# Altium PCB MARCS.PcbDoc
Units mil, origin at the board's own origin, x right, y up, seen from the top; angles counter-clockwise.
Board outline 7000 x 4750 mil, 4 copper layers (Component Side, Ground Plane, Power Plane, Solder Side), stack 33.234 mil thick; 110 components, 109 nets, 580 pads, 5 vias.
Unrouted connection lines stored in the file: 6.
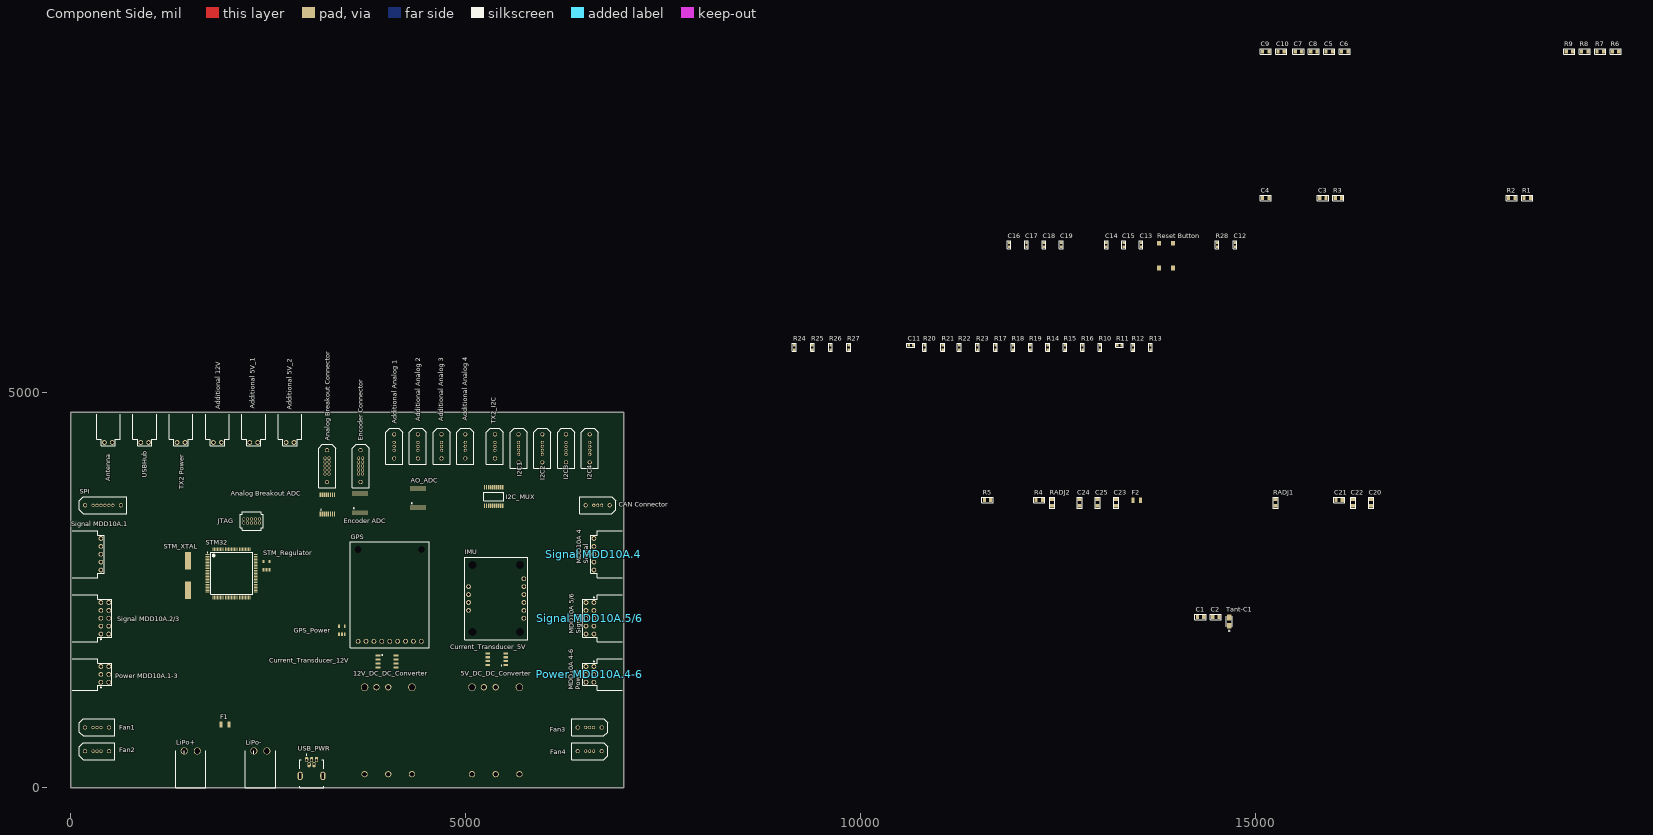
[diagram p0: Component Side view]
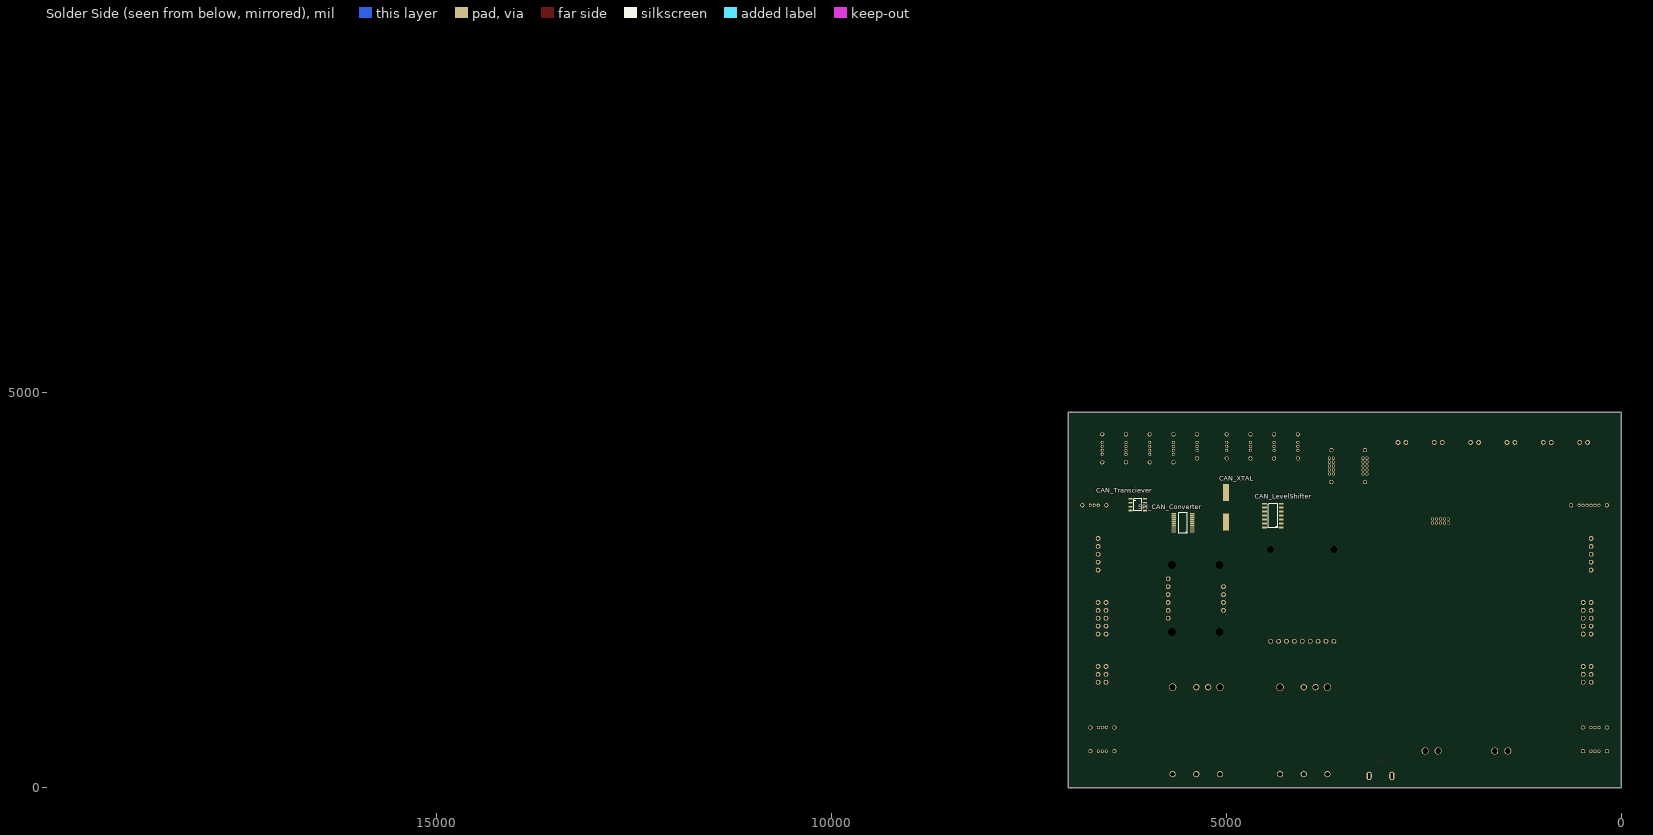
[diagram p1: Solder Side view, seen from below]
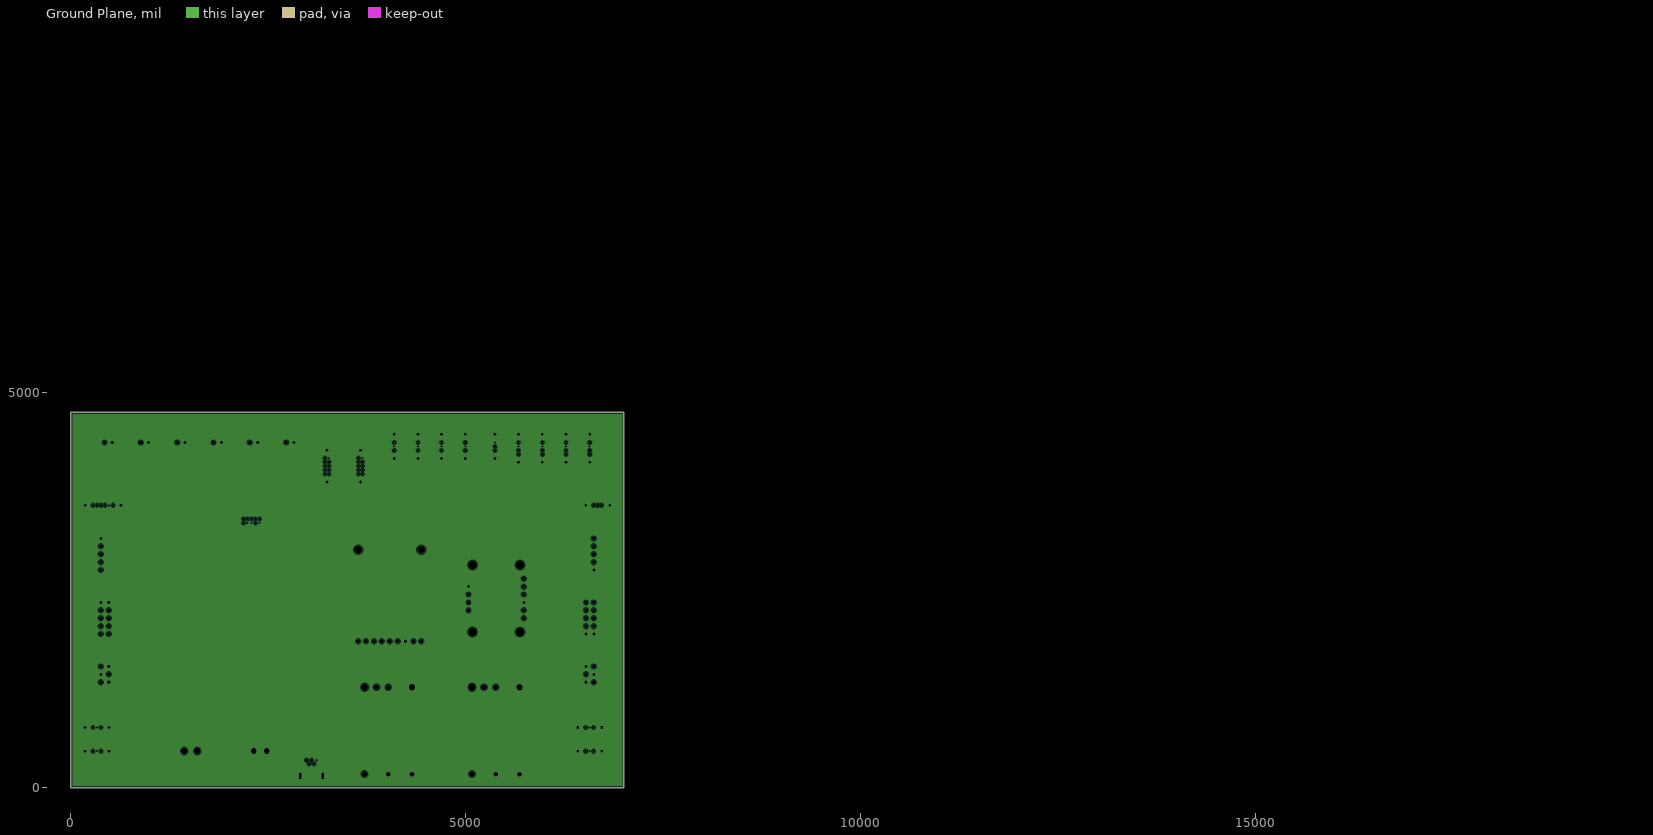
[diagram p2: Ground Plane, clearances drawn from the general rule]
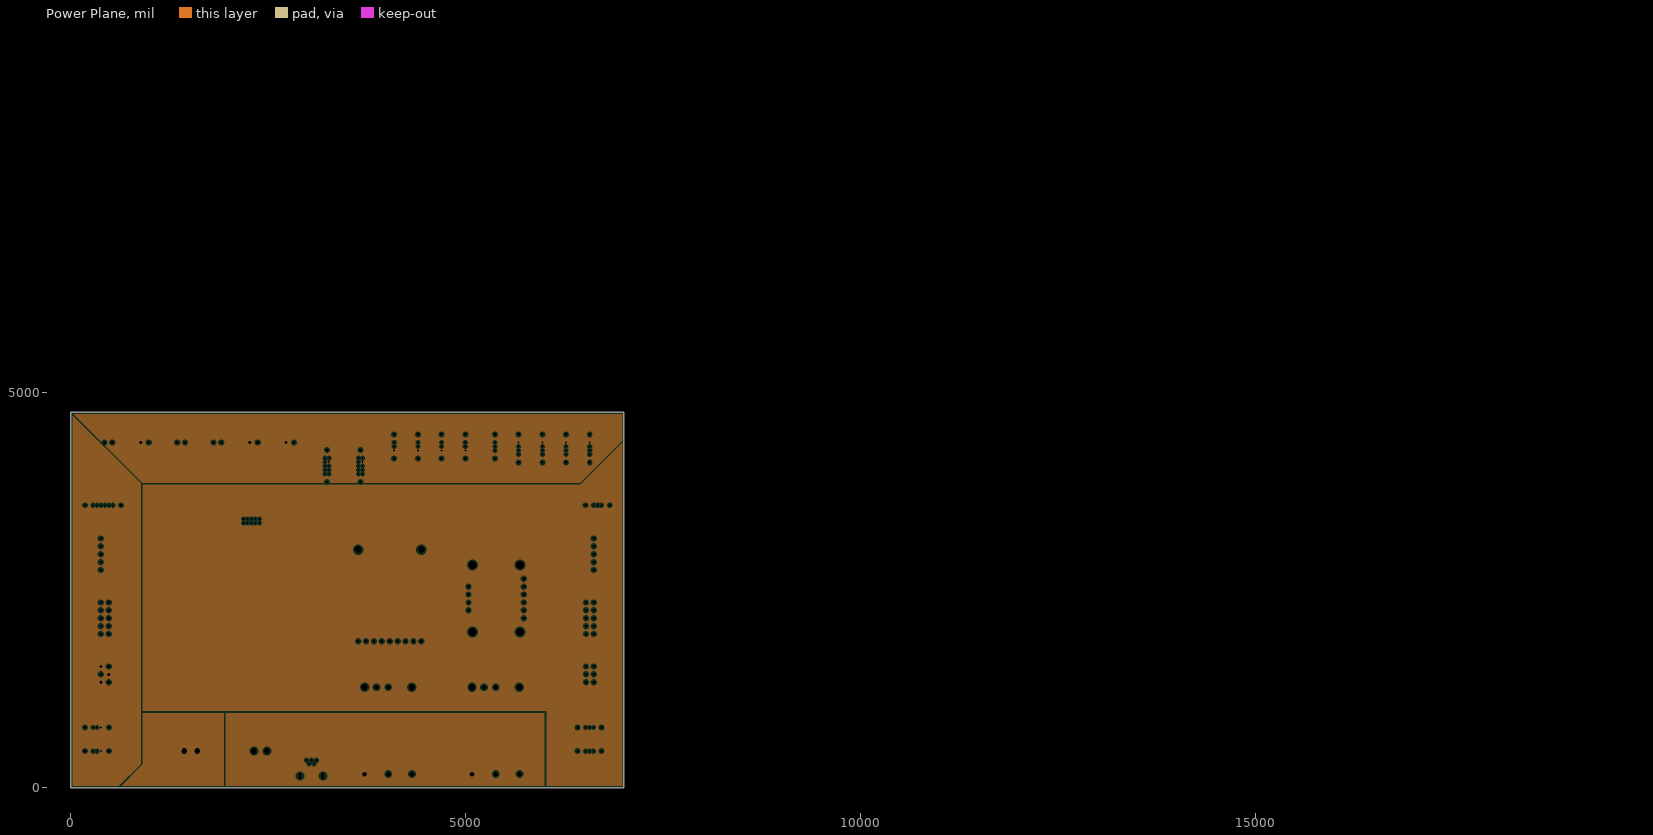
[diagram p3: Power Plane, clearances drawn from the general rule]

## Layer stack, top to bottom
Top Solder: solder mask 0.4, Solder Resist, Dk 3.5
Component Side: signal copper 1.4
Dielectric 1: core 12.6, FR-4, Dk 4.8
Ground Plane: plane copper 1.417, net GND
Dielectric 3: prepreg 5, Dk 4.2
Power Plane: plane copper 1.417
Dielectric 4: core 10, Dk 4.2
Solder Side: signal copper 1.4
Bottom Solder: solder mask 0.4, Solder Resist, Dk 3.5

## Board outline
0,0 0,4750 7000,4750 7000,0

## Design rules (kind name [scope] priority, off if disabled: settings)
Clearance [All] p1: gap=10 ignorepadtopadclearanceinfootprint=FALSE except(0: Arc-Hole Track-Hole SMDPad-Hole THPad-Hole Via-Hole Fill-Hole Poly-Hole Region-Hole Text-Hole; 3.5: SMDPad-SMDPad)
PlaneClearance [All] p1: clearance=20
PlaneConnect [All] p1: planeconnectstyle=Relief reliefexpansion=20 reliefentries=4 reliefconductorwidth=10 reliefairgap=10
PolygonConnect [All] p1: connectstyle=Relief reliefconductorwidth=10 reliefentries=4 polygonreliefangle="90 Angle" airgapwidth=10
RoutingVias [All] p1: holewidth=28 width=50 viastyle="Through Hole" minholewidth=28 minwidth=50 maxholewidth=28 maxwidth=50
SolderMaskExpansion [All] p1: expansion=4
Width [All] p1: maxlimit=10 minlimit=10 preferedwidth=10
28 further rules are at their usual default settings.

## Classes and differential pairs
component class Power: "Additional 5V_1"

## Components (designator, comment, footprint, x,y, rotation, side; value= is the part's Value field where it differs from the comment)
5V_DC_DC_Converter "i6a4w020A033V" i6a4w020A033V-001-R 5827.5,72 r90 top
12V_DC_DC_Converter "i6a4w020A033V" i6a4w020A033V-001-R 4467.5,72 r90 top
"Additional 5V_1" "IPL1-102-01-XXX-S-RA" IPL1-102-01-XXX-S-RA 2265,4370 r0 top locked
"Additional 5V_2" "IPL1-102-01-XXX-S-RA" IPL1-102-01-XXX-S-RA 2725,4370 r0 top locked
"Additional 12V" "IPL1-102-01-XXX-S-RA" IPL1-102-01-XXX-S-RA 1805,4370 r0 top locked
"Additional Analog 1" "TFM-103-01-L-S-WT" TFM-103-01-L-S-WT 4092.5,4270.5 r90 top locked
"Additional Analog 2" "TFM-103-01-L-S-WT" TFM-103-01-L-S-WT 4392.5,4270.5 r90 top locked
"Additional Analog 3" "TFM-103-01-L-S-WT" TFM-103-01-L-S-WT 4692.5,4270.5 r90 top locked
"Additional Analog 4" "TFM-103-01-L-S-WT" TFM-103-01-L-S-WT 4992.5,4270.5 r90 top locked
"Analog Breakout ADC" "ADC128D818" "ADC128D818 V3" 3147.69,3499.54 r0 top
"Analog Breakout Connector" "TFM-105-01-L-D-WT" TFM-105-01-L-D-WT 3267.5,4170.5 r90 top locked
Antenna "IPL1-102-01-XXX-S-RA" IPL1-102-01-XXX-S-RA 425,4370 r0 top locked
AO_ADC "ADC128D818" "ADC128D818 V3" 4295.78,3580.54 r0 top
C1 "TBD" 0805C-GENERIC 14268,2163 r0 top
C2 "TBD" 0805C-GENERIC 14463,2163 r0 top
C3 "TBD" 0805C-GENERIC 15818,7463 r0 top
C4 "TBD" 0805C-GENERIC 15093,7463 r0 top
C5 "TBD" 0805C-GENERIC 15898,9317 r0 top
C6 "TBD" 0805C-GENERIC 16093,9317 r0 top
C7 "TBD" 0805C-GENERIC 15508,9317 r0 top
C8 "TBD" 0805C-GENERIC 15703,9317 r0 top
C9 "TBD" 0805C-GENERIC 15093,9317 r0 top
C10 "TBD" 0805C-GENERIC 15288,9317 r0 top
C11 "0603C-GENERIC" 0603C-GENERIC 10606,5600 r0 top
C12 "0603C-GENERIC" 0603C-GENERIC 14736,6845 r90 top
C13 "0603C-GENERIC" 0603C-GENERIC 13546,6845 r90 top
C14 "0603C-GENERIC" 0603C-GENERIC 13106,6845 r90 top
C15 "0603C-GENERIC" 0603C-GENERIC 13326,6845 r90 top
C16 "0603C-GENERIC" 0603C-GENERIC 11876,6845 r90 top
C17 "0603C-GENERIC" 0603C-GENERIC 12096,6845 r90 top
C18 "0603C-GENERIC" 0603C-GENERIC 12316,6845 r90 top
C19 "0603C-GENERIC" 0603C-GENERIC 12536,6845 r90 top
C20 "TBD" 0805C-GENERIC 16457,3578 r90 top
C21 "TBD" 0805C-GENERIC 16022,3643 r0 top
C22 "TBD" 0805C-GENERIC 16227,3578 r90 top
C23 "TBD" 0805C-GENERIC 13226,3578 r90 top
C24 "TBD" 0805C-GENERIC 12766,3578 r90 top
C25 "TBD" 0805C-GENERIC 12996,3578 r90 top
"CAN Connector" "TFM-103-01-L-S-WT" TFM-103-01-L-S-WT 6618.5,3575 r0 top locked
CAN_LevelShifter "TXB0104" TXB0104 4301.4,3346.97 r0 bottom
CAN_Transciever "TJA1050" TJA1050 6026.5,3507 r180 bottom
CAN_XTAL "8MHz" GC0800044 4960.63,3252.72 r90 bottom
Current_Transducer_5V "ACS724" "SOIC-8 V3" 5504,1551.5 r90 top
Current_Transducer_12V "ACS724" "SOIC-8 V3" 3886.64,1674.5 r270 top
"Encoder ADC" "ADC128D818" "ADC128D818 V3" 3562.19,3517.04 r0 top
"Encoder Connector" "TFM-105-01-L-D-WT" TFM-105-01-L-D-WT 3692.5,4170.5 r90 top locked
F1 "20A" 0501020.WR 1901.57,800 r0 top
F2 "20A" 0501020.WR 13442,3641 r0 top
Fan1 "TFM-103-01-L-S-WT" TFM-103-01-L-S-WT 381.5,762.5 r180 top locked
Fan2 "TFM-103-01-L-S-WT" TFM-103-01-L-S-WT 381.5,462.5 r180 top locked
Fan3 "TFM-103-01-L-S-WT" TFM-103-01-L-S-WT 6516.5,762.5 r0 top locked
Fan4 "TFM-103-01-L-S-WT" TFM-103-01-L-S-WT 6516.5,462.5 r0 top locked
GPS "ADAFRUIT GPS" "ADAFRUIT ULTIMATE GPS" 3536,1773 r0 top
GPS_Power "TLV73333PDBVR" TLV733P 3467.5,1941.5 r90 top
I2C1 "TFM-104-01-L-S-WT" TFM-104-01-L-S-WT 5667.5,4220.5 r90 top locked
I2C2 "TFM-104-01-L-S-WT" TFM-104-01-L-S-WT 5967.5,4220.5 r90 top locked
I2C3 "TFM-104-01-L-S-WT" TFM-104-01-L-S-WT 6267.5,4220.5 r90 top locked
I2C4 "TFM-104-01-L-S-WT" TFM-104-01-L-S-WT 6567.5,4220.5 r90 top locked
I2C_MUX "TCA9544A" TSSOP20 5466.22,3802.78 r270 top
IMU "ADAFRUIT IMU" "ADAFRUIT IMU" 5683.5,1970 r90 top
JTAG "FTSH-105-01-XXX-D-K" FTSH-105-01-XXX-D-K 2287.5,3376 r0 top
LiPo+ "IPBT-102-H1-T-S-RA-K" IPBT-102-H1-T-S-RA-K 1600,465 r180 top locked
LiPo- "IPBT-102-H1-T-S-RA-K" IPBT-102-H1-T-S-RA-K 2482.5,465 r180 top locked
"Power MDD10A.1-3" "IPL1-103-01-XXX-D-RA" IPL1-103-01-XXX-D-RA 480,1335 r90 top locked
"Power MDD10A.4-6" "IPL1-103-01-XXX-D-RA" IPL1-103-01-XXX-D-RA 6520,1535 r270 top locked
R1 "TBD" 0805R-GENERIC 18403,7463 r0 top
R2 "TBD" 0805R-GENERIC 18208,7463 r0 top
R3 "TBD" 0805R-GENERIC 16013,7463 r0 top
R4 "TBD" 0805R-GENERIC 12227,3643 r0 top
R5 "TBD" 0805R-GENERIC 11572,3643 r0 top
R6 "TBD" 0805R-GENERIC 19522,9317 r0 top
R7 "TBD" 0805R-GENERIC 19327,9317 r0 top
R8 "TBD" 0805R-GENERIC 19132,9317 r0 top
R9 "TBD" 0805R-GENERIC 18937,9317 r0 top
R10 "TBD" 0603R-generic 13025,5545 r90 top
R11 "TBD" 0603R-generic 13245,5600 r0 top
R12 "TBD" 0603R-generic 13445,5545 r90 top
R13 "TBD" 0603R-generic 13665,5545 r90 top
R14 "TBD" 0603R-generic 12365,5545 r90 top
R15 "TBD" 0603R-generic 12585,5545 r90 top
R16 "TBD" 0603R-generic 12805,5545 r90 top
R17 "TBD" 0603R-generic 11705,5545 r90 top
R18 "TBD" 0603R-generic 11925,5545 r90 top
R19 "TBD" 0603R-generic 12145,5545 r90 top
R20 "TBD" 0603R-generic 10806,5545 r90 top
R21 "TBD" 0603R-generic 11036,5545 r90 top
R22 "TBD" 0603R-generic 11245,5545 r90 top
R23 "TBD" 0603R-generic 11475,5545 r90 top
R24 "TBD" 0603R-generic 9156,5545 r90 top
R25 "TBD" 0603R-generic 9386,5545 r90 top
R26 "TBD" 0603R-generic 9615,5545 r90 top
R27 "TBD" 0603R-generic 9845,5545 r90 top
R28 "TBD" 0603R-generic 14506,6845 r90 top
RADJ1 "TBD" 0805R-GENERIC 15249,3578 r90 top
RADJ2 "TBD" 0805R-GENERIC 12417,3578 r90 top
"Reset Button" "PTS645SM43SMTR92 LFS" "PTS645SM43SMTR92 LFS" 13947,6578 r90 top
"Signal MDD10A.1" "IPL1-105-01-S-RA-K" IPL1-105-01-S-RA-K 380,2755 r90 top locked
"Signal MDD10A.2/3" "IPL1-105-01-F-D-RA-K" IPL1-105-01-F-D-RA-K 480,1945 r90 top locked
"Signal MDD10A.4" "IPL1-105-01-S-RA-K" IPL1-105-01-S-RA-K 6620,3155 r270 top locked
"Signal MDD10A.5/6" "IPL1-105-01-F-D-RA-K" IPL1-105-01-F-D-RA-K 6520,2345 r270 top locked
SPI "TFM-106-01-L-S-WT" TFM-106-01-L-S-WT 531.5,3575 r180 top locked
SPI_CAN_Converter "MCP2515" TSSOP20 5429.5,3236.64 r0 bottom
STM32 "STM32F401VCT6" STM-LQFP100_V 2034,2713 r0 top
STM_Regulator "TLV73333PDBVR" TLV733P 2512.9,2761 r90 top
STM_XTAL "8MHz" GC0800044 1522.37,2391.22 r90 top
Tant-C1 "TPSA106K010H0900" TPSA106K010H0900 14663,2103 r90 top
"TX2 Power" "IPL1-102-01-XXX-S-RA" IPL1-102-01-XXX-S-RA 1345,4370 r0 top locked
TX2_I2C "TFM-103-01-L-S-WT" TFM-103-01-L-S-WT 5367.5,4270.5 r90 top locked
USB_PWR "Conn_Molex_54819-0519_eec" Molex_54819-0519_0 3046.5,179.5 r0 top
USBHub "IPL1-102-01-XXX-S-RA" IPL1-102-01-XXX-S-RA 885,4370 r0 top locked

## Footprints (in the part's own frame and the unit in brackets; to place one, negate y for a bottom-side part, rotate by r counter-clockwise, add the part's x,y. Pads: shape width x height; smd on the part's side, far side on the other; paste and mask are expansions set on the pad)
0603C-GENERIC [mil] "CAPACITOR 0603"
  rect 30x30 smd: 1(0,0) 2(55,0)
  silkscreen extent -23,-23 78,23, body extent -4,-15 59,15, height 19
0603R-generic [mil] "RESISTOR 0603"
  rect 30x30 smd: 1(0,0) 2(55,0)
  silkscreen extent -23,-23 78,23, body extent -4,-15 59,15, height 19
0805C-GENERIC [mil] "CAPACITOR 0805"
  rect 40x50 smd: 1(-10,0) 2(70,0)
  silkscreen extent -40,-35 100,35, body extent -11,-25 70,25, height 26
0805R-GENERIC [mil] "RESISTOR 0805"
  rect 40x50 smd: 1(-10,0) 2(70,0)
  silkscreen extent -40,-35 100,35, body extent -11,-25 70,25, height 27
0501020.WR [mm] "Fuse"
  rect 1x1.8 smd: 1(0,0) 2(2.5,0)
"ADAFRUIT IMU" [mil]
  round 60 hole 40.16: 1(175,-50) 2(275,-50) 3(375,-50) 4(475,-50) 5(575,-50) 6(675,-50) 7(275,650) 8(375,650) 9(475,650) 10(575,650)
  round 60 hole 100 unplated: 11(0,600) 12(850,600) 13(0,0) 14(850,0)
  silkscreen extent -100,-100 950,700, body extent -100,-100 950,700, height 163
"ADAFRUIT ULTIMATE GPS" [mil]
  round 60 hole 40.16: 1(200,80) 2(300,80) 3(600,80) 4(800,80) 5(100,80) 6(400,80) 7(500,80) 8(900,80) 9(700,80)
  round 60 hole 90 unplated: 10(100,1240) 11(900,1240)
  silkscreen extent 0,0 1000,1340
"ADC128D818 V3" [mm]
  rect 0.37x1.5 smd mask+0.076: 1(0.225,-0.877) 2(0.875,-0.877) 3(1.525,-0.877) 4(2.175,-0.877) 5(2.825,-0.877) 6(3.475,-0.877) 7(4.125,-0.877) 8(4.775,-0.877) 9(4.775,5.277) 10(4.125,5.277) 11(3.475,5.277) 12(2.825,5.277) 13(2.175,5.277) 14(1.525,5.277) 15(0.875,5.277) 16(0.225,5.277)
  silkscreen extent 0.38,0.38 0.62,0.62, body extent 0.01,-0.99 5.01,5.41, height 1.13
FTSH-105-01-XXX-D-K [mil]
  round 38 hole 28 mask+3: 1(-100,-25) 2(-100,25) 3(-50,-25) 4(-50,25) 5(0,-25) 6(0,25) 7(50,-25) 8(50,25) 9(100,-25) 10(100,25)
  silkscreen extent -145,-120 145,120, body extent -125,-100 125,100, height 225
GC0800044 [mm]
  rect 5.5x2 smd: 1(2.75,1) 2(12.25,1)
  body extent 1.29,-1.42 13.69,3.41, height 4.24
i6a4w020A033V-001-R [mil] "TDK Lambda DC/DC Converter"
  round 78.75 hole 60: 1(100,750) 2(100,450) 3(100,150) 5(1200,450) 6(1200,600)
  round 95 hole 80: 4(1200,150) 7(1200,750)
  body extent 0,0 1300,900, height 474
IPBT-102-H1-T-S-RA-K [mm]
  round 2.25 hole 1.78 unplated: 1(0,0) 2(4.19,0)
  silkscreen extent -2.76,0 6.95,11.77, body extent -2.77,-0.61 6.95,11.78, height 7.71
IPL1-102-01-XXX-S-RA [mil]
  round 60 hole 40 mask+3: 1(0,0) 2(100,0)
  silkscreen extent -100,-40 200,360, body extent -80,-15 180,377, height 260
IPL1-103-01-XXX-D-RA [mil]
  round 60 hole 40 mask+3: 1(0,100) 2(100,100) 3(200,100) 4(0,0) 5(100,0) 6(200,0)
  silkscreen extent -100,-40 300,460, body extent -80,-12 280,480, height 315
IPL1-105-01-F-D-RA-K [mil]
  round 60 hole 40 mask+3: 1(0,100) 2(100,100) 3(200,100) 4(300,100) 5(400,100) 6(0,0) 7(100,0) 8(200,0) 9(300,0) 10(400,0)
  silkscreen extent -100,-40 500,460, body extent -80,-12 480,480, height 315
IPL1-105-01-S-RA-K [mil]
  round 60 hole 40 mask+3: 1(0,0) 2(100,0) 3(200,0) 4(300,0) 5(400,0)
  silkscreen extent -100,-40 500,360, body extent -79,-11 481,381, height 278
Molex_54819-0519_0 [mm]
  oval 1.1x1.65 smd paste+0 mask+0: 1(-1.6,4.575) 2(-0.8,2.825) 3(0,4.575) 4(0.8,2.825) 5(1.6,4.575)
  oval 1.7x2.7 hole 1.9 slot 0.7 at 0 deg paste-1000 mask+0: 6(-3.65,-0.75) 6(3.65,-0.75)
  silkscreen extent -3.85,-4.5 3.85,6.17, body extent -4.6,-4.6 4.6,5.5, height 3.98
"PTS645SM43SMTR92 LFS" [mm] "SMD Button"
  rect 1.55x1.3 smd: 1(0,4.5) 2(7.95,4.5) 3(0,0) 4(7.95,0)
"SOIC-8 V3" [mm]
  rect 0.65x1.575 smd: 1(0,0) 2(1.27,0) 3(2.54,0) 4(3.81,0) 5(3.81,5.775) 6(2.54,5.775) 7(1.27,5.775) 8(0,5.775)
  silkscreen extent -0.2,1.3 0,1.5, body extent -0.6,-0.18 4.41,6.02, height 1.88
STM-LQFP100_V [mm] "Thin QFP, 100-Leads, Body 14x14mm, Pitch 0.5mm, ST Recommended"
  rect 1.2x0.3 smd: 1(-7.75,6) 2(-7.75,5.5) 3(-7.75,5) 4(-7.75,4.5) 5(-7.75,4) 6(-7.75,3.5) 7(-7.75,3) 8(-7.75,2.5) 9(-7.75,2) 10(-7.75,1.5) 11(-7.75,1) 12(-7.75,0.5) 13(-7.75,0) 14(-7.75,-0.5) 15(-7.75,-1) 16(-7.75,-1.5) 17(-7.75,-2) 18(-7.75,-2.5) 19(-7.75,-3) 20(-7.75,-3.5) 21(-7.75,-4) 22(-7.75,-4.5) 23(-7.75,-5) 24(-7.75,-5.5) 25(-7.75,-6) 51(7.75,-6) 52(7.75,-5.5) 53(7.75,-5) 54(7.75,-4.5) 55(7.75,-4) 56(7.75,-3.5) 57(7.75,-3) 58(7.75,-2.5) 59(7.75,-2) 60(7.75,-1.5) 61(7.75,-1) 62(7.75,-0.5) 63(7.75,0) 64(7.75,0.5) 65(7.75,1) 66(7.75,1.5) 67(7.75,2) 68(7.75,2.5) 69(7.75,3) 70(7.75,3.5) 71(7.75,4) 72(7.75,4.5) 73(7.75,5) 74(7.75,5.5) 75(7.75,6)
  rect 0.3x1.2 smd: 26(-6,-7.75) 27(-5.5,-7.75) 28(-5,-7.75) 29(-4.5,-7.75) 30(-4,-7.75) 31(-3.5,-7.75) 32(-3,-7.75) 33(-2.5,-7.75) 34(-2,-7.75) 35(-1.5,-7.75) 36(-1,-7.75) 37(-0.5,-7.75) 38(0,-7.75) 39(0.5,-7.75) 40(1,-7.75) 41(1.5,-7.75) 42(2,-7.75) 43(2.5,-7.75) 44(3,-7.75) 45(3.5,-7.75) 46(4,-7.75) 47(4.5,-7.75) 48(5,-7.75) 49(5.5,-7.75) 50(6,-7.75) 76(6,7.75) 77(5.5,7.75) 78(5,7.75) 79(4.5,7.75) 80(4,7.75) 81(3.5,7.75) 82(3,7.75) 83(2.5,7.75) 84(2,7.75) 85(1.5,7.75) 86(1,7.75) 87(0.5,7.75) 88(0,7.75) 89(-0.5,7.75) 90(-1,7.75) 91(-1.5,7.75) 92(-2,7.75) 93(-2.5,7.75) 94(-3,7.75) 95(-3.5,7.75) 96(-4,7.75) 97(-4.5,7.75) 98(-5,7.75) 99(-5.5,7.75) 100(-6,7.75)
  silkscreen extent -7.87,-6.75 6.75,6.82, body extent -7,-7 7,7, height 1.6
TFM-103-01-L-S-WT [mil]
  round 40 hole 25 mask+3: 1(0,0) 2(50,0) 3(100,0)
  round 52 hole 35 mask+3: G1(-102,0) G2(202,0)
  silkscreen extent -176,-108 276,108, body extent -156,-87 257,88, height 220
TFM-104-01-L-S-WT [mil]
  round 40 hole 25 mask+3: 1(0,0) 2(50,0) 3(100,0) 4(150,0)
  round 52 hole 35 mask+3: G1(-102,0) G2(252,0)
  silkscreen extent -176,-108 326,108, body extent -156,-87 307,88, height 220
TFM-105-01-L-D-WT [mil]
  round 40 hole 25 mask+3: 1(-200,50) 2(-150,50) 3(-100,50) 4(-50,50) 5(0,50) 6(-200,0) 7(-150,0) 8(-100,0) 9(-50,0) 10(0,0)
  round 52 hole 35 mask+3: G1(-302,25) G2(102,25)
  silkscreen extent -376,-83 176,132, body extent -356,-90 157,135, height 220
TFM-106-01-L-S-WT [mil]
  round 40 hole 25 mask+3: 1(0,0) 2(50,0) 3(100,0) 4(150,0) 5(200,0) 6(250,0)
  round 52 hole 35 mask+3: G1(-102,0) G2(350,0)
  silkscreen extent -176,-108 424,108, body extent -157,-87 406,88, height 220
TJA1050 [mm] "SOT96"
  rect 1.3x0.6 smd: 1(-4.65,3.81) 2(-4.65,1.27) 3(-4.65,2.54) 4(-4.65,0) 5(0,0) 6(0,1.27) 7(0,2.54) 8(0,3.81)
  silkscreen extent -3.7,0 -1,3.8, body extent -5.33,-0.52 0.71,4.38, height 1.66
TLV733P [mm] "3.3V Converter"
  rect 1.1x0.6 smd: 1(0,1.9) 2(0,0.95) 3(0,0) 4(2.6,0) 5(2.6,1.9)
  body extent -0.1,-0.48 2.7,2.42, height 1.2
TPSA106K010H0900 [mm] "Polarized 10V 10uF Capacitor"
  rect 1.81x1.32 smd: 1(-1.309,0.025) 2(1.291,0.025)
  silkscreen extent -3.21,-0.87 1.69,0.93
TSSOP20 [mm]
  rect 1.45x0.45 smd: 1(0,0)
  oval 1.45x0.45 smd: 2(0,-0.65) 3(0,-1.3) 4(0,-1.95) 5(0,-2.6) 6(0,-3.25) 7(0,-3.9) 8(0,-4.55) 9(0,-5.2) 10(0,-5.85) 11(5.9,-5.85) 12(5.9,-5.2) 13(5.9,-4.55) 14(5.9,-3.9) 15(5.9,-3.25) 16(5.9,-2.6) 17(5.9,-1.95) 18(5.9,-1.3) 19(5.9,-0.65) 20(5.9,0)
  silkscreen extent 1.56,-6.18 4.34,0.33, body extent -0.28,-6.18 6.13,0.33, height 1.13
TXB0104 [mm] "SOIC14"
  rect 1.55x0.6 smd: 1(0,1.32) 2(0,0.05) 3(0,-1.22) 4(0,-2.49) 5(0,-3.76) 6(0,-5.03) 7(0,-6.3) 8(5.4,-6.3) 9(5.4,-5.03) 10(5.4,-3.76) 11(5.4,-2.49) 12(5.4,-1.22) 13(5.4,0.05) 14(5.4,1.32)
  silkscreen extent 1.2,-6.3 4.2,1.4, body extent -0.24,-6.81 5.78,1.84, height 1.75

## Part data
5V_DC_DC_Converter 12V_DC_DC_Converter: library part i6a4w020A033V-001-R, "TDK-Lambda DC/DC Converter", Supplier 1=Digi-Key, Supplier Part Number 1=i6a4w020A033V
"Additional 5V_1" "Additional 5V_2" "Additional 12V" Antenna "TX2 Power" USBHub: "Terminal Assembly, Single Row, Right Angle, Thru-Hole, 2 Pins.", Manufacturer=SAMTEC, CREATED="February 14, 2016 - Wendy Xin", PCB DECAL=IPL1-102-01-XXX-S-RA
C1 C2 C3 C4 C5 C6 C7 C8 C9 C10 C20 C21 C22 C23 C24 C25: library part 0805C-TBD, "CAPACITOR 0805 CERAMIC VALUE TO BE DETERMINED"
C11 C12 C13 C14 C15 C16 C17 C18 C19: "CAPACITOR 0603 CERAMIC GENERIC"
CAN_XTAL STM_XTAL: library part GC0800044, "Diodes Incorporated GC0800044", Supplier Part Number 1=GC0800044TR-ND, Supplier 1=Digi-Key
F1 F2: library part 0501020.WR
GPS_Power STM_Regulator: library part TLV733
I2C_MUX: Supplier Part Number 1=TCA9544APWR, Supplier 1="Arrow Electronics, Inc."
IMU: Supplier Part Number 1=2472, Supplier 1=Arrow
JTAG: "TERMINAL STRIP, .050\"(1.27mm) PITCH, 10 PINS, KEYING OPTION.", Manufacturer=SAMTEC, CREATED="September 26, 2016 - Wendy Xin", PCB DECAL=FTSH-105-01-XXX-D-K
LiPo+ LiPo-: Supplier Part Number 1=SAM9552-ND, Supplier 1=Digi-Key
"Power MDD10A.1-3" "Power MDD10A.4-6": "Terminal Assembly, Double Row, Right Angle, Thru-Hole, 0.100\" x 0.100\" Pitch, 6Pins", Manufacturer=SAMTEC, Supplier Part Number 1=IPL1-103-01-F-D-RA-K-ND, CREATED="July 16, 2014 - Wendy Xin", PCB DECAL=IPL1-103-01-XXX-D-RA, Supplier 1=Digi-Key
R1 R2 R3 R4 R5 R6 R7 R8 R9 RADJ1 RADJ2: library part 0805R-TBD, "RESISTOR 0805 VALUE TO BE DETERMINED"
R10 R11 R12 R13 R14 R15 R16 R17 R18 R19 R20 R21 R22 R23 R24 R25 R26 R27 R28: library part 0603R-TBD, "RESISTOR 0603 VALUE TO BE DETERMINED"
"Signal MDD10A.2/3" "Signal MDD10A.5/6": Supplier Part Number 1=SAM11424-ND, Supplier 1=Digi-Key
SPI_CAN_Converter: Supplier Part Number 1=MCP2515-I/ST, Supplier 1=Arrow
STM32: "ARM Cortex-M4 32-bit MCU+FPU, 105 DMIPS, 256 kB Flash, 64 kB Internal RAM, 79 I/Os, 100-pin LQFP, -40 to 85 degC, Tray", I/Os (High Current)=79, Manufacturer=STMicroelectronics, Operating Frequency(F) (Processor speed) (MHz)=84, Supplier Part Number 1=497-14048-ND, Supply Voltage(Vcc) max (V)=3.6, Supply Voltage(Vcc) min (V)=1.8, ComponentLink1Description="Manufacturer URL", ComponentLink1URL=http://www.st.com/web/en/home.html, ComponentLink2Description=Datasheet, ComponentLink2URL=http://www.st.com/st-web-ui/static/active/en/resource/technical/document/data_brief/DM00071938.pdf, ComponentLink3Description="Package Specification", ComponentLink3URL=http://www.st.com/st-web-ui/static/active/en/resource/technical/document/data_brief/DM00071938.pdf, Core="ARM Cortex-M4", DatasheetVersion="Rev. 1", FLASH Size (Prog) (kB)=256, Internal RAM Size (kB)=64, Mounting Technology="Surface Mount", PackageDescription="100-Pin Low Profile Quad Flat Package, 14 x 14 mm Body, 0.5 mm Pitch", PackageReference=LQFP100, PackageVersion="Rev. 1, 06/2013", Packing=Tray, Partnumber=STM32F401VCT6, Supplier 1=Digi-Key, Supplier 2=Newark, Supplier 3=Mouser, Supplier Part Number 2=19X6223, Supplier Part Number 3=511-STM32F401VCT6
USB_PWR: "CONN USB - mini B USB 2.0 OTG Receptacle Connector 5 Position Through Hole, Right Angle", Digikey Part Number=WM17115-ND, Manufacturer=Molex, Mouser Part Number=538-54819-0519, Package=CONN_PTH_7MM7_9MM0_USB, Part Number=54819-0519, Temperature="-20°C to +85°C", Temperature Range High=+85°C, Temperature Range Low=-20°C, ComponentLink1Description=Upverter, ComponentLink1URL=https://upverter.com/upn/revision/57f7d65304c3d878/, ComponentLink2Description=Datasheet, ComponentLink2URL=https://upverter.com/datasheet/9d71f2f8719b3fc0715bd6f9e6d9d5a5d296bb87.pdf, Digikey Description="CONN USB - mini B USB 2.0 OTG Receptacle Connector 5 Position Through Hole, Right Angle", helpURL=https://upverter.com/upn/revision/57f7d65304c3d878/, Is Female=yes, Lead Free=yes, RoHS=TRUE, Supplier 1=Digi-Key, Supplier 2=Mouser, Supplier Part Number 1=WM17115-ND, Supplier Part Number 2=538-54819-0519
SPI: Supplier 1=Digi-Key, Supplier Part Number 1=TFM-106-01-L-S-WT

## Via types
v1: diameter 27.56, hole 27.56, Component Side to Solder Side, 5 vias

## Nets (pads, with @x,y where several pads share a name; then routed paths per layer and width w, separated by ;. In a path a pad name is that pad's centre, name@x,y a point inside that pad or via, vN(x,y) a via of type N, cw(c..) or ccw(c..) an arc to the next point about the centre after c; other vN are vias at no path point)
3.3V: C16.1 C17.1 C18.1 C19.1 JTAG.1 R10.1 R11.1 R12.1 R13.1 R14.1 R15.1 R16.1 R17.1 R18.1 R19.1 R20.1 R21.1 R22.1 R23.1 R24.1 R25.1 R26.1 R27.1 STM32.6 STM32.11 STM32.19 STM32.21 STM32.22 STM32.28 STM32.50 STM32.75 STM32.100 STM_Regulator.5
3V3: CAN_LevelShifter.1 I2C_MUX.20
5V: 5V_DC_DC_Converter.6 5V_DC_DC_Converter.7 "Additional 5V_1.1" "Additional 5V_2.1" "Additional Analog 1.1" "Additional Analog 2.1" "Additional Analog 3.1" "Additional Analog 4.1" "Analog Breakout ADC.1" "Analog Breakout ADC.5" "Analog Breakout ADC.6" "Analog Breakout ADC.7" "Analog Breakout ADC.8" "Analog Breakout Connector.9" "Encoder ADC.1" "Encoder ADC.5" "Encoder ADC.6" "Encoder Connector.9" AO_ADC.1 AO_ADC.5 AO_ADC.6 AO_ADC.7 C1.1 C2.1 C5.1 C6.1 C21.1 C22.1 CAN_LevelShifter.8 CAN_LevelShifter.14 CAN_Transciever.3 Current_Transducer_5V.1 Current_Transducer_5V.2 Current_Transducer_5V.8 Current_Transducer_12V.8 GPS_Power.1 GPS_Power.3 I2C1.4 I2C2.4 I2C3.4 I2C4.4 IMU.1 R1.1 R2.1 R3.1 R7.2 SPI.1 SPI_CAN_Converter.20 STM_Regulator.1 STM_Regulator.3 Tant-C1.1 USB_PWR.1 USBHub.1
  other v1: 2983.51,348.79
5V_Divider: AO_ADC.10 R7.1 R9.1
12V: 12V_DC_DC_Converter.6 12V_DC_DC_Converter.7 "Additional 12V.1" "Power MDD10A.1-3.1" "Power MDD10A.1-3.3" "Power MDD10A.1-3.5" "Power MDD10A.4-6.1" "Power MDD10A.4-6.3" "Power MDD10A.4-6.5" "TX2 Power.1" C24.1 C25.1 Current_Transducer_12V.1 Current_Transducer_12V.2 Fan1.1 Fan2.1 Fan3.1 Fan4.1 R6.2
12V_Divider: AO_ADC.9 R6.1 R8.2
AB_1: "Analog Breakout ADC.16" "Analog Breakout Connector.1"
AB_2: "Analog Breakout ADC.15" "Analog Breakout Connector.2"
AB_3: "Analog Breakout ADC.14" "Analog Breakout Connector.3"
AB_4: "Analog Breakout ADC.13" "Analog Breakout Connector.4"
AB_5: "Analog Breakout ADC.12" "Analog Breakout Connector.5"
AB_6: "Analog Breakout ADC.11" "Analog Breakout Connector.6"
AB_7: "Analog Breakout ADC.10" "Analog Breakout Connector.7"
AB_8: "Analog Breakout ADC.9" "Analog Breakout Connector.8"
Addl_Analog1: "Additional Analog 1.3" AO_ADC.16
Addl_Analog2: "Additional Analog 2.3" AO_ADC.15
Addl_Analog3: "Additional Analog 3.3" AO_ADC.14
Addl_Analog4: "Additional Analog 4.3" AO_ADC.13
Antenna_Power: Antenna.1 R4.1 R5.2
C\S\_\5\V\: CAN_LevelShifter.13 SPI_CAN_Converter.18
CAN_H: "CAN Connector.1" CAN_Transciever.7
CAN_L: "CAN Connector.3" CAN_Transciever.6
Device_SCL: "Analog Breakout ADC.3" "Encoder ADC.3" AO_ADC.3 I2C_MUX.18 IMU.5 R12.2 STM32.92
Device_SDA: "Analog Breakout ADC.2" "Encoder ADC.2" AO_ADC.2 I2C_MUX.19 IMU.4 R13.2 STM32.93
Encoder_A0: "Encoder ADC.16" "Encoder Connector.1"
Encoder_A1: "Encoder ADC.15" "Encoder Connector.2"
Encoder_A2: "Encoder ADC.14" "Encoder Connector.3"
Encoder_A3: "Encoder ADC.13" "Encoder Connector.4"
Encoder_A4: "Encoder ADC.12" "Encoder Connector.5"
Encoder_A5: "Encoder ADC.11" "Encoder Connector.6"
Encoder_A6: "Encoder ADC.10" "Encoder Connector.7"
Encoder_A7: "Encoder ADC.9" "Encoder Connector.8"
Fan1: Fan1.3 STM32.33
Fan2: Fan2.3 STM32.34
Fan3: Fan3.3 STM32.39
Fan4: Fan4.3 STM32.38
GND: 5V_DC_DC_Converter.2 5V_DC_DC_Converter.3 5V_DC_DC_Converter.4 12V_DC_DC_Converter.2 12V_DC_DC_Converter.3 12V_DC_DC_Converter.4 "Additional 5V_1.2" "Additional 5V_2.2" "Additional 12V.2" "Additional Analog 1.2" "Additional Analog 1.G1" "Additional Analog 1.G2" "Additional Analog 2.2" "Additional Analog 2.G1" "Additional Analog 2.G2" "Additional Analog 3.2" "Additional Analog 3.G1" "Additional Analog 3.G2" "Additional Analog 4.2" "Additional Analog 4.G1" "Additional Analog 4.G2" "Analog Breakout ADC.4" "Analog Breakout Connector.10" "Analog Breakout Connector.G1" "Analog Breakout Connector.G2" "CAN Connector.G1" "CAN Connector.G2" "Encoder ADC.4" "Encoder ADC.7" "Encoder ADC.8" "Encoder Connector.10" "Encoder Connector.G1" "Encoder Connector.G2" "Power MDD10A.1-3.2" "Power MDD10A.1-3.4" "Power MDD10A.1-3.6" "Power MDD10A.4-6.2" "Power MDD10A.4-6.4" "Power MDD10A.4-6.6" "Reset Button.3" "Signal MDD10A.1.5" "Signal MDD10A.2/3.5" "Signal MDD10A.2/3.10" "Signal MDD10A.4.5" "Signal MDD10A.5/6.5" "Signal MDD10A.5/6.10" "TX2 Power.2" Antenna.2 AO_ADC.4 AO_ADC.8 C1.2 C2.2 C3.1 C4.1 C5.2 C6.2 C7.2 C8.2 C9.2 C10.2 C11.2 C12.2 C13.2 C14.2 C15.2 C16.2 C17.2 C18.2 C19.2 C20.2 C21.2 C22.2 C23.2 C24.2 C25.2 CAN_LevelShifter.7 CAN_Transciever.2 CAN_Transciever.8 Current_Transducer_5V.3 Current_Transducer_5V.4 Current_Transducer_5V.5 Current_Transducer_12V.3 Current_Transducer_12V.4 Current_Transducer_12V.5 Fan1.2 Fan1.G1 Fan1.G2 Fan2.2 Fan2.G1 Fan2.G2 Fan3.2 Fan3.G1 Fan3.G2 Fan4.2 Fan4.G1 Fan4.G2 GPS.9 GPS_Power.2 I2C1.3 I2C1.G1 I2C1.G2 I2C2.3 I2C2.G1 I2C2.G2 I2C3.3 I2C3.G1 I2C3.G2 I2C4.3 I2C4.G1 I2C4.G2 I2C_MUX.1 I2C_MUX.2 I2C_MUX.3 I2C_MUX.10 IMU.3 IMU.10 JTAG.3 JTAG.5 JTAG.9 LiPo-.1 LiPo-.2 R5.1 R8.1 R9.2 R28.2 RADJ1.2 RADJ2.2 SPI.2 SPI.G1 SPI.G2 SPI_CAN_Converter.10 STM32.10 STM32.20 STM32.27 STM32.49 STM32.74 STM32.99 STM_Regulator.2 Tant-C1.2 TX2_I2C.3 TX2_I2C.G1 TX2_I2C.G2 USB_PWR.5 USB_PWR.6 USBHub.2
  other v1: 3109.49,348.79
GPS_FIX: GPS.6 STM32.71
GPS_PPS: GPS.8 STM32.70
GPS_RX: GPS.3 R14.2 STM32.69
GPS_TX: GPS.7 R15.2 STM32.68
GPS_VIN: GPS.1 GPS.4 GPS_Power.5
JTAG_TCLK: JTAG.4 R18.2 STM32.76
JTAG_TDI: JTAG.8 R17.2 STM32.77
JTAG_TDO: JTAG.6 R11.2 STM32.89
JTAG_TMS: JTAG.2 R19.2 STM32.72
LiPo+: F1.1 F2.1 LiPo+.1 LiPo+.2 R4.2
LiPo+_fused: 5V_DC_DC_Converter.1 12V_DC_DC_Converter.1 C20.1 C23.1 F1.2 F2.2
MISO_5V: CAN_LevelShifter.12 SPI_CAN_Converter.17
MOSI_5V: CAN_LevelShifter.11 SPI_CAN_Converter.16
Motor1Dir: "Signal MDD10A.1.1" STM32.8
Motor1Speed: "Signal MDD10A.1.2" STM32.23
Motor2Dir: "Signal MDD10A.1.3" STM32.9
Motor2Speed: "Signal MDD10A.1.4" STM32.24
Motor3Dir: "Signal MDD10A.2/3.1" STM32.15
Motor3Speed: "Signal MDD10A.2/3.2" STM32.25
Motor4Dir: "Signal MDD10A.2/3.3" STM32.16
Motor4Speed: "Signal MDD10A.2/3.4" STM32.26
Motor5Dir: "Signal MDD10A.2/3.6" STM32.17
Motor5Speed: "Signal MDD10A.2/3.7" STM32.31
Motor6Dir: "Signal MDD10A.2/3.8" STM32.18
Motor6Speed: "Signal MDD10A.2/3.9" STM32.32
Motor7Dir: "Signal MDD10A.4.1" STM32.64
Motor7Speed: "Signal MDD10A.4.2" STM32.62
Motor8Dir: "Signal MDD10A.4.3" STM32.63
Motor8Speed: "Signal MDD10A.4.4" STM32.61
Motor9Dir: "Signal MDD10A.5/6.1" STM32.52
Motor9Speed: "Signal MDD10A.5/6.2" STM32.60
Motor10Dir: "Signal MDD10A.5/6.3" STM32.51
Motor10Speed: "Signal MDD10A.5/6.4" STM32.59
Motor11Dir: "Signal MDD10A.5/6.6" STM32.44
Motor11Speed: "Signal MDD10A.5/6.7" STM32.42
Motor12Dir: "Signal MDD10A.5/6.8" STM32.43
Motor12Speed: "Signal MDD10A.5/6.9" STM32.40
Net5V_DC_DC_Converter_5: 5V_DC_DC_Converter.5 RADJ1.1
Net12V_DC_DC_Converter_5: 12V_DC_DC_Converter.5 RADJ2.1
NetC3_2: C3.2 CAN_XTAL.1 SPI_CAN_Converter.8
NetC4_2: C4.2 CAN_XTAL.2 SPI_CAN_Converter.9
NetC9_1: C9.1 Current_Transducer_5V.6
NetC10_1: C10.1 Current_Transducer_12V.6
NetC11_1: C11.1 STM32.12 STM_XTAL.1
NetC12_1: C12.1 STM32.13 STM_XTAL.2
NetC14_1: C14.1 STM32.73
NetC15_1: C15.1 STM32.48
NetCAN_Transciever_1: CAN_Transciever.1 R1.2 SPI_CAN_Converter.1
NetCAN_Transciever_4: CAN_Transciever.4 R2.2 SPI_CAN_Converter.2
NetR3_2: R3.2 SPI_CAN_Converter.19
NetR28_1: R28.1 STM32.94
nRST: "Reset Button.1" C13.1 JTAG.10 STM32.14
SCL_I2C1: I2C1.2 I2C_MUX.6
SCL_I2C2: I2C2.2 I2C_MUX.9
SCL_I2C3: I2C3.2 I2C_MUX.13
SCL_I2C4: I2C4.2 I2C_MUX.16
SCLK_5V: CAN_LevelShifter.10 SPI_CAN_Converter.14
SDA_I2C1: I2C1.1 I2C_MUX.5
SDA_I2C2: I2C2.1 I2C_MUX.8
SDA_I2C3: I2C3.1 I2C_MUX.12
SDA_I2C4: I2C4.1 I2C_MUX.15
SPI2CAN_MISO: CAN_LevelShifter.3 R21.2 STM32.79
SPI2CAN_MOSI: CAN_LevelShifter.4 R20.2 STM32.80
SPI2CAN_NSS: CAN_LevelShifter.2 R10.2 STM32.29
SPI2CAN_SCK: CAN_LevelShifter.5 R22.2 STM32.78
SPI_MISO: R25.2 SPI.4 STM32.4
SPI_MOSI: R24.2 SPI.5 STM32.5
SPI_NSS: R26.2 SPI.6 STM32.3
SPI_SCK: R27.2 SPI.3 STM32.1
TX2_SCL: R16.2 STM32.67 TX2_I2C.1
TX2_SDA: R23.2 STM32.66 TX2_I2C.2
VIOUT: C7.1 C8.1 Current_Transducer_5V.7 Current_Transducer_12V.7
pads on no net: "CAN Connector.2" "Reset Button.2" "Reset Button.4" AO_ADC.11 AO_ADC.12 CAN_LevelShifter.6 CAN_LevelShifter.9 CAN_Transciever.5 GPS.2 GPS.5 GPS.10 GPS.11 GPS_Power.4 I2C_MUX.4 I2C_MUX.7 I2C_MUX.11 I2C_MUX.14 I2C_MUX.17 IMU.2 IMU.6 IMU.7 IMU.8 IMU.9 IMU.11 IMU.12 IMU.13 IMU.14 JTAG.7 SPI_CAN_Converter.3 SPI_CAN_Converter.4 SPI_CAN_Converter.5 SPI_CAN_Converter.6 SPI_CAN_Converter.7 SPI_CAN_Converter.11 SPI_CAN_Converter.12 SPI_CAN_Converter.13 SPI_CAN_Converter.15 STM32.2 STM32.7 STM32.30 STM32.35 STM32.36 STM32.37 STM32.41 STM32.45 STM32.46 STM32.47 STM32.53 STM32.54 STM32.55 STM32.56 STM32.57 STM32.58 STM32.65 STM32.81 STM32.82 STM32.83 STM32.84 STM32.85 STM32.86 STM32.87 STM32.88 STM32.90 STM32.91 STM32.95 STM32.96 STM32.97 STM32.98 STM_Regulator.4 USB_PWR.2 USB_PWR.3 USB_PWR.4
copper on no net:
  other v1: 3015,301.55 3078,301.55 3046.5,348.79

## Polygon pours and split planes (outlines as drawn)
GND on Ground Plane (split plane): 6979.9,20.1 20.1,20.1 20.1,4729.9 6979.9,4729.9
no net on Power Plane (split plane): 6979.9,20.1 6017.82,20.1 6017.82,959 6017.48,961.61 6016.47,964.04 6014.87,966.13 6012.78,967.73 6010.35,968.74 6007.73,969.09 910.09,969.09 910.09,3600 910.09,3839.91 6450,3839.91 6452.61,3840.26 6455.04,3841.27 6457.13,3842.87 6979.9,4365.64
LiPo+ on Power Plane (split plane): 1938.91,20.1 634.36,20.1 907.13,292.87 908.73,294.96 909.74,297.39 910.09,300 910.09,948.91 1938.91,948.91
LiPo+_fused on Power Plane (split plane): 5997.65,20.1 1959.09,20.1 1959.09,948.91 5997.65,948.91
5V on Power Plane (split plane): 6979.9,4394.17 6445.82,3860.09 904.18,3860.09 34.36,4729.9 6979.9,4729.9
12V on Power Plane (split plane): 889.91,3845.82 889.91,3600 889.91,304.18 605.83,20.1 20.1,20.1 20.1,4715.64

## Other copper
Power Plane (plane layer: these items are gaps in the copper):
  lines w20: 0,4750 900,3850 ; 600,0 900,300 900,3600 900,3850 ; 902,961 904,959 1949,959 ; 1949,7 1949,959 ; 6005,0 6007.73,2.74 6007.73,959 1949,959 ; 7000,4400 6450,3850 900,3850

## Silkscreen, mask and mechanical layers (free items; w line width, h text height)
Top Overlay:
  text "MDD10A 4 / Signal" at 6550.5,2834.5 h60 r90
  text "MDD10A 5/6 / Signal" at 6455,1952 h60 r90
  text "MDD10A 4-6 / Power" at 6446.5,1238.5 h60 r90
Mechanical 15:
  the board outline again, w3